# KiCad board Lime_RFE.kicad_pcb (continued)
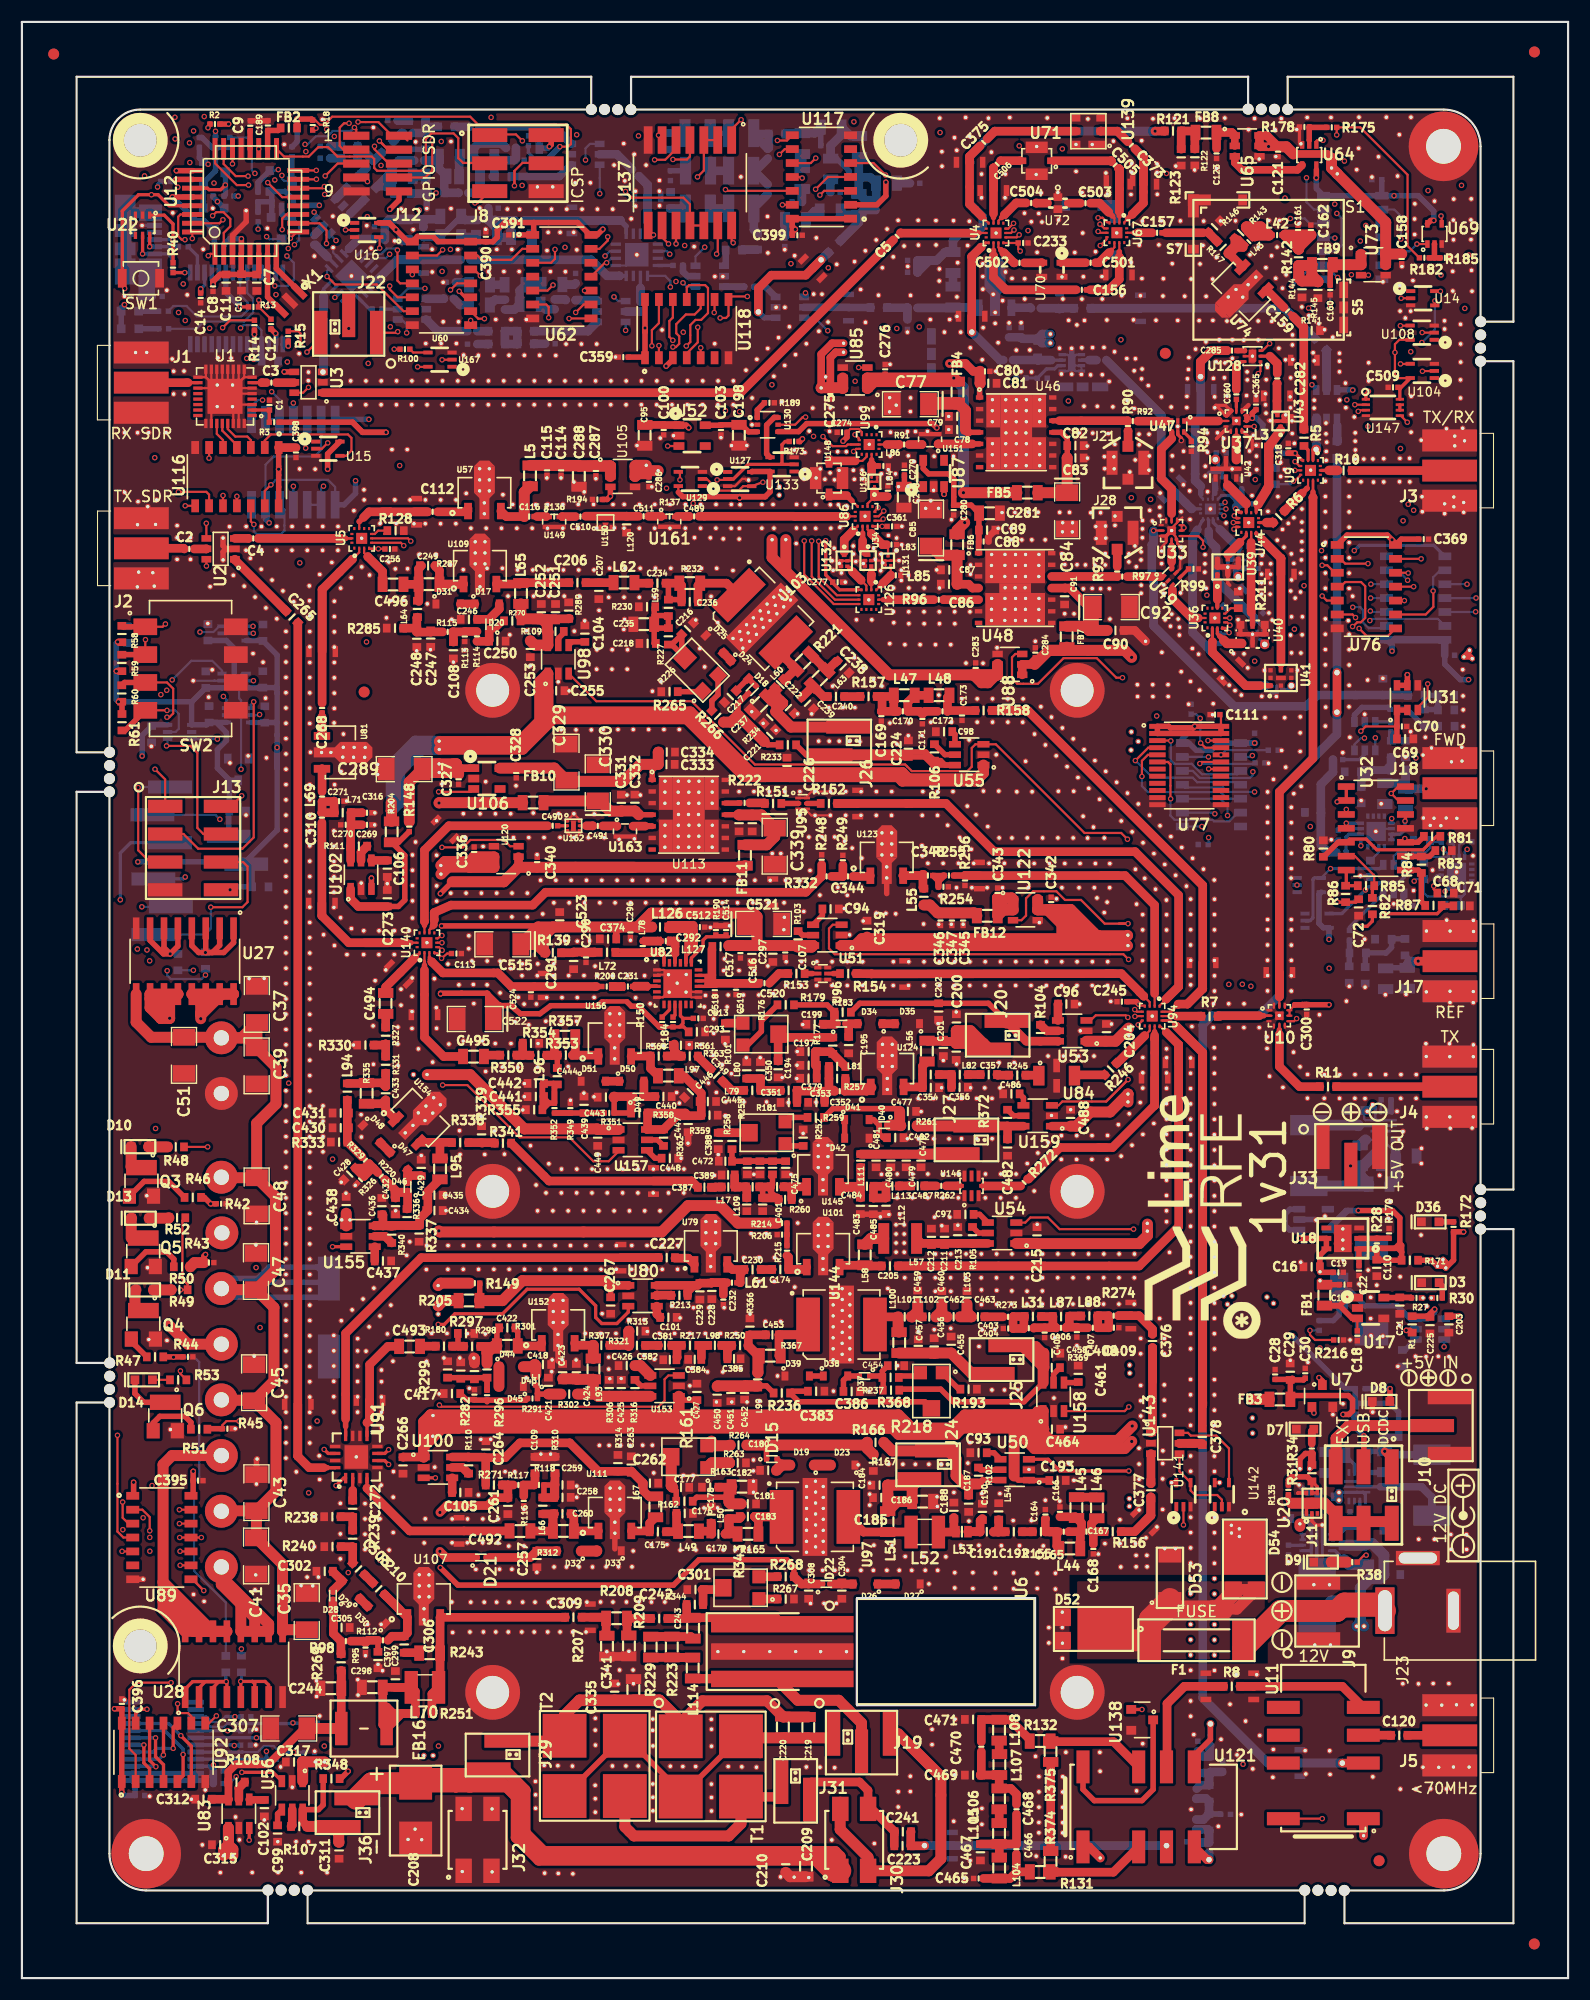
[diagram p0: board, top side]
## Placement (name value [footprint] x y rotation side) (continued)
GND_VIA#1176  VAL**  [GND_VIA]  38.38 145.75 90 top
GND_VIA#1177  VAL**  [GND_VIA]  39.78 145.75 90 top
GND_VIA#1178  VAL**  [GND_VIA]  41.17 145.75 90 top
GND_VIA#1179  VAL**  [GND_VIA]  39.77 143.58 90 top
GND_VIA#1180  VAL**  [GND_VIA]  41.16 143.58 90 top
GND_VIA#1181  VAL**  [GND_VIA]  46.75 143.58 90 top
GND_VIA#1182  VAL**  [GND_VIA]  45.35 143.58 90 top
GND_VIA#1183  VAL**  [GND_VIA]  46.76 145.75 90 top
GND_VIA#1184  VAL**  [GND_VIA]  45.37 145.75 90 top
GND_VIA#1185  VAL**  [GND_VIA]  43.97 145.75 90 top
GND_VIA#1186  VAL**  [GND_VIA]  43.96 143.58 90 top
GND_VIA#1187  VAL**  [GND_VIA]  48.16 145.75 90 top
GND_VIA#1188  VAL**  [GND_VIA]  48.15 143.58 90 top
GND_VIA#1189  VAL**  [GND_VIA]  42.57 145.75 90 top
GND_VIA#1190  VAL**  [GND_VIA]  42.56 143.58 90 top
GND_VIA#1191  VAL**  [GND_VIA]  60.72 143.58 90 top
GND_VIA#1192  VAL**  [GND_VIA]  60.73 145.75 90 top
GND_VIA#1193  VAL**  [GND_VIA]  62.13 145.75 90 top
GND_VIA#1194  VAL**  [GND_VIA]  63.53 145.75 90 top
GND_VIA#1195  VAL**  [GND_VIA]  62.12 143.58 90 top
GND_VIA#1196  VAL**  [GND_VIA]  63.51 143.58 90 top
GND_VIA#1197  VAL**  [GND_VIA]  64.92 145.75 90 top
GND_VIA#1198  VAL**  [GND_VIA]  64.91 143.58 90 top
GND_VIA#1199  VAL**  [GND_VIA]  86.46 160.32 180 top
GND_VIA#1200  VAL**  [GND_VIA]  66.63 144.19 180 top
GND_VIA#1201  VAL**  [GND_VIA]  66.08 146.73 180 top
GND_VIA#1202  VAL**  [GND_VIA]  67.07 147.72 180 top
GND_VIA#1203  VAL**  [GND_VIA]  68.62 146.17 180 top
GND_VIA#1204  VAL**  [GND_VIA]  70.6 148.15 180 top
GND_VIA#1205  VAL**  [GND_VIA]  69.05 149.7 180 top
GND_VIA#1206  VAL**  [GND_VIA]  68.06 148.71 180 top
GND_VIA#1207  VAL**  [GND_VIA]  69.61 147.16 180 top
GND_VIA#1208  VAL**  [GND_VIA]  73.57 151.12 180 top
GND_VIA#1209  VAL**  [GND_VIA]  73.01 153.66 180 top
GND_VIA#1210  VAL**  [GND_VIA]  72.72 150.28 180 top
GND_VIA#1211  VAL**  [GND_VIA]  70.04 150.69 180 top
GND_VIA#1212  VAL**  [GND_VIA]  71.59 149.14 180 top
GND_VIA#1213  VAL**  [GND_VIA]  79.51 157.07 180 top
GND_VIA#1214  VAL**  [GND_VIA]  77.96 158.62 180 top
GND_VIA#1215  VAL**  [GND_VIA]  78.95 159.61 180 top
GND_VIA#1216  VAL**  [GND_VIA]  80.5 158.06 180 top
GND_VIA#1217  VAL**  [GND_VIA]  81.79 160.4 180 top
GND_VIA#1218  VAL**  [GND_VIA]  83.41 160.38 180 top
GND_VIA#1219  VAL**  [GND_VIA]  79.96 160.4 180 top
GND_VIA#1220  VAL**  [GND_VIA]  81.81 158.14 180 top
GND_VIA#1221  VAL**  [GND_VIA]  75.98 156.64 180 top
GND_VIA#1222  VAL**  [GND_VIA]  76.97 157.63 180 top
GND_VIA#1223  VAL**  [GND_VIA]  78.52 156.08 180 top
GND_VIA#1224  VAL**  [GND_VIA]  76.54 154.1 180 top
GND_VIA#1225  VAL**  [GND_VIA]  72.25 153.68 180 top
GND_VIA#1226  VAL**  [GND_VIA]  74.36 156.39 180 top
GND_VIA#1227  VAL**  [GND_VIA]  85.01 160.37 180 top
GND_VIA#1228  VAL**  [GND_VIA]  33.7 107.27 90 top
GND_VIA#1229  VAL**  [GND_VIA]  33.71 106.5 90 top
GND_VIA#1230  VAL**  [GND_VIA]  37.99 60.59 90 top
GND_VIA#1231  VAL**  [GND_VIA]  38 61.36 90 top
GND_VIA#1232  VAL**  [GND_VIA]  37.98 63.19 90 top
GND_VIA#1233  VAL**  [GND_VIA]  85.11 18.55 0 top
GND_VIA#1234  VAL**  [GND_VIA]  69.38 82.18 90 top
GND_VIA#1235  VAL**  [GND_VIA]  69.93 79.89 90 top
GND_VIA#1236  VAL**  [GND_VIA]  72.46 79.92 90 top
GND_VIA#1237  VAL**  [GND_VIA]  39.23 123.99 180 top
GND_VIA#1238  VAL**  [GND_VIA]  40.4 121.18 180 top
GND_VIA#1239  VAL**  [GND_VIA]  37 125.41 180 top
GND_VIA#1240  VAL**  [GND_VIA]  94.98 13.25 180 top
GND_VIA#1241  VAL**  [GND_VIA]  92.8 13.26 180 top
GND_VIA#1242  VAL**  [GND_VIA]  92.56 11.12 180 top
GND_VIA#1243  VAL**  [GND_VIA]  95.24 11.07 180 top
GND_VIA#1244  VAL**  [GND_VIA]  94.98 14.19 180 top
GND_VIA#1245  VAL**  [GND_VIA]  92.8 14.2 180 top
GND_VIA#1246  VAL**  [GND_VIA]  92.8 15.6 180 top
GND_VIA#1247  VAL**  [GND_VIA]  92.8 16.99 180 top
GND_VIA#1248  VAL**  [GND_VIA]  94.98 15.58 180 top
GND_VIA#1249  VAL**  [GND_VIA]  94.98 16.98 180 top
GND_VIA#1250  VAL**  [GND_VIA]  92.5 20.23 180 top
GND_VIA#1251  VAL**  [GND_VIA]  95.27 20.6 180 top
GND_VIA#1252  VAL**  [GND_VIA]  92.8 18.39 180 top
GND_VIA#1253  VAL**  [GND_VIA]  94.98 18.38 180 top
GND_VIA#1254  VAL**  [GND_VIA]  98.4 10.96 180 top
GND_VIA#1255  VAL**  [GND_VIA]  122.43 12.99 180 top
GND_VIA#1256  VAL**  [GND_VIA]  74.98 149.19 90 top
GND_VIA#1257  VAL**  [GND_VIA]  74.97 148.37 90 top
GND_VIA#1258  VAL**  [GND_VIA]  75.25 29.79 90 top
GND_VIA#1259  VAL**  [GND_VIA]  72.89 29.79 90 top
GND_VIA#1260  VAL**  [GND_VIA]  70.61 29.8 90 top
GND_VIA#1261  VAL**  [GND_VIA]  65.87 29.79 90 top
GND_VIA#1262  VAL**  [GND_VIA]  63.51 29.79 90 top
GND_VIA#1263  VAL**  [GND_VIA]  68.25 29.8 90 top
GND_VIA#1264  VAL**  [GND_VIA]  31 131.39 90 top
GND_VIA#1265  VAL**  [GND_VIA]  119.38 18.59 180 top
GND_VIA#1266  VAL**  [GND_VIA]  112.96 22.14 180 top
GND_VIA#1267  VAL**  [GND_VIA]  117.1 20.76 180 top
GND_VIA#1268  VAL**  [GND_VIA]  114.2 20.86 180 top
GND_VIA#1269  VAL**  [GND_VIA]  112.32 19.09 180 top
GND_VIA#1270  VAL**  [GND_VIA]  119.34 20.74 180 top
GND_VIA#1271  VAL**  [GND_VIA]  117.16 18.63 180 top
GND_VIA#1272  VAL**  [GND_VIA]  114.16 18.32 180 top
GND_VIA#1273  VAL**  [GND_VIA]  123.28 18.36 180 top
GND_VIA#1274  VAL**  [GND_VIA]  110.25 24.99 180 top
GND_VIA#1275  VAL**  [GND_VIA]  106.65 23.89 180 top
GND_VIA#1276  VAL**  [GND_VIA]  106.65 25.29 180 top
GND_VIA#1277  VAL**  [GND_VIA]  110.82 27.71 180 top
GND_VIA#1278  VAL**  [GND_VIA]  111.67 23.45 180 top
GND_VIA#1279  VAL**  [GND_VIA]  112.68 27.69 180 top
GND_VIA#1280  VAL**  [GND_VIA]  108.82 32.26 180 top
GND_VIA#1281  VAL**  [GND_VIA]  108.82 30.87 180 top
GND_VIA#1282  VAL**  [GND_VIA]  106.65 32.28 180 top
GND_VIA#1283  VAL**  [GND_VIA]  106.65 30.88 180 top
GND_VIA#1284  VAL**  [GND_VIA]  106.65 29.48 180 top
GND_VIA#1285  VAL**  [GND_VIA]  108.82 29.47 180 top
GND_VIA#1286  VAL**  [GND_VIA]  106.65 28.08 180 top
GND_VIA#1287  VAL**  [GND_VIA]  108.82 28.07 180 top
GND_VIA#1288  VAL**  [GND_VIA]  106.65 46.25 180 top
GND_VIA#1289  VAL**  [GND_VIA]  108.82 46.23 180 top
GND_VIA#1290  VAL**  [GND_VIA]  108.82 35.06 180 top
GND_VIA#1291  VAL**  [GND_VIA]  106.65 35.07 180 top
GND_VIA#1292  VAL**  [GND_VIA]  106.65 36.47 180 top
GND_VIA#1293  VAL**  [GND_VIA]  106.65 37.86 180 top
GND_VIA#1294  VAL**  [GND_VIA]  108.82 36.45 180 top
GND_VIA#1295  VAL**  [GND_VIA]  108.82 37.85 180 top
GND_VIA#1296  VAL**  [GND_VIA]  108.82 42.04 180 top
GND_VIA#1297  VAL**  [GND_VIA]  106.65 42.05 180 top
GND_VIA#1298  VAL**  [GND_VIA]  106.65 40.66 180 top
GND_VIA#1299  VAL**  [GND_VIA]  108.82 40.65 180 top
GND_VIA#1300  VAL**  [GND_VIA]  106.65 39.26 180 top
GND_VIA#1301  VAL**  [GND_VIA]  108.82 39.25 180 top
GND_VIA#1302  VAL**  [GND_VIA]  121.12 119.83 180 top
GND_VIA#1303  VAL**  [GND_VIA]  118.95 119.84 180 top
GND_VIA#1304  VAL**  [GND_VIA]  121.12 121.22 180 top
GND_VIA#1305  VAL**  [GND_VIA]  118.95 121.24 180 top
GND_VIA#1306  VAL**  [GND_VIA]  118.95 122.63 180 top
GND_VIA#1307  VAL**  [GND_VIA]  118.95 124.03 180 top
GND_VIA#1308  VAL**  [GND_VIA]  121.12 122.62 180 top
GND_VIA#1309  VAL**  [GND_VIA]  121.04 123.88 180 top
GND_VIA#1310  VAL**  [GND_VIA]  121.12 117.97 180 top
GND_VIA#1311  VAL**  [GND_VIA]  122.81 118.46 180 top
GND_VIA#1312  VAL**  [GND_VIA]  118.96 117.93 180 top
GND_VIA#1313  VAL**  [GND_VIA]  116.72 120.92 180 top
GND_VIA#1314  VAL**  [GND_VIA]  118.97 115.98 180 top
GND_VIA#1315  VAL**  [GND_VIA]  121.11 116.01 180 top
GND_VIA#1316  VAL**  [GND_VIA]  121.12 126.81 180 top
GND_VIA#1317  VAL**  [GND_VIA]  118.95 126.82 180 top
GND_VIA#1318  VAL**  [GND_VIA]  118.95 128.22 180 top
GND_VIA#1319  VAL**  [GND_VIA]  118.95 129.62 180 top
GND_VIA#1320  VAL**  [GND_VIA]  121.12 128.21 180 top
GND_VIA#1321  VAL**  [GND_VIA]  121.12 129.61 180 top
GND_VIA#1322  VAL**  [GND_VIA]  121.12 135.19 180 top
GND_VIA#1323  VAL**  [GND_VIA]  121.12 133.8 180 top
GND_VIA#1324  VAL**  [GND_VIA]  118.95 135.21 180 top
GND_VIA#1325  VAL**  [GND_VIA]  118.95 133.81 180 top
GND_VIA#1326  VAL**  [GND_VIA]  118.95 132.41 180 top
GND_VIA#1327  VAL**  [GND_VIA]  121.12 132.4 180 top
GND_VIA#1328  VAL**  [GND_VIA]  118.95 136.6 180 top
GND_VIA#1329  VAL**  [GND_VIA]  121.12 136.59 180 top
GND_VIA#1330  VAL**  [GND_VIA]  118.95 131.02 180 top
GND_VIA#1331  VAL**  [GND_VIA]  121.12 131 180 top
GND_VIA#1332  VAL**  [GND_VIA]  116.65 113.63 180 top
GND_VIA#1333  VAL**  [GND_VIA]  118.95 114.25 180 top
GND_VIA#1334  VAL**  [GND_VIA]  121.18 113.23 180 top
GND_VIA#1335  VAL**  [GND_VIA]  101.01 85.99 0 top
GND_VIA#1336  VAL**  [GND_VIA]  101 86.7 0 top
GND_VIA#1337  VAL**  [GND_VIA]  101.06 43.05 0 top
GND_VIA#1338  VAL**  [GND_VIA]  101.06 43.75 0 top
GND_VIA#1339  VAL**  [GND_VIA]  35.73 82.45 90 top
GND_VIA#1340  VAL**  [GND_VIA]  27.61 19.72 90 top
GND_VIA#1341  VAL**  [GND_VIA]  26.77 19.73 90 top
GND_VIA#1342  VAL**  [GND_VIA]  131.42 111.06 0 top
GND_VIA#1343  VAL**  [GND_VIA]  112.29 51.11 0 top
GND_VIA#1344  VAL**  [GND_VIA]  112.31 49.72 0 top
GND_VIA#1345  VAL**  [GND_VIA]  101.1 55.2 0 top
GND_VIA#1346  VAL**  [GND_VIA]  101.08 55.94 0 top
GND_VIA#1347  VAL**  [GND_VIA]  56.97 138.05 90 top
GND_VIA#1348  VAL**  [GND_VIA]  58.06 137.56 90 top
GND_VIA#1349  VAL**  [GND_VIA]  73.35 146.12 90 top
GND_VIA#1350  VAL**  [GND_VIA]  72.94 145.11 90 top
GND_VIA#1351  VAL**  [GND_VIA]  18.41 11.19 90 top
GND_VIA#1352  VAL**  [GND_VIA]  19.25 11.18 90 top
GND_VIA#1353  VAL**  [GND_VIA]  37.51 51.34 90 top
GND_VIA#1354  VAL**  [GND_VIA]  37.49 49.45 90 top
GND_VIA#1355  VAL**  [GND_VIA]  104.92 45.21 0 top
GND_VIA#1356  VAL**  [GND_VIA]  109.66 62.25 0 top
GND_VIA#1357  VAL**  [GND_VIA]  110.42 62.25 0 top
GND_VIA#1358  VAL**  [GND_VIA]  110.02 61.49 0 top
GND_VIA#1359  VAL**  [GND_VIA]  74.06 53.56 180 top
GND_VIA#1360  VAL**  [GND_VIA]  77.3 53.56 180 top
GND_VIA#1361  VAL**  [GND_VIA]  79.91 55.89 90 top
GND_VIA#1362  VAL**  [GND_VIA]  52.32 22.63 90 top
GND_VIA#1363  VAL**  [GND_VIA]  57.56 22.61 90 top
GND_VIA#1364  VAL**  [GND_VIA]  62.93 22.71 90 top
GND_VIA#1365  VAL**  [GND_VIA]  77.33 139.96 0 top
GND_VIA#1366  VAL**  [GND_VIA]  93.77 101.71 90 top
GND_VIA#1367  VAL**  [GND_VIA]  95.17 101.71 90 top
GND_VIA#1368  VAL**  [GND_VIA]  96.56 101.71 90 top
GND_VIA#1369  VAL**  [GND_VIA]  97.96 101.71 90 top
GND_VIA#1370  VAL**  [GND_VIA]  92.37 101.71 90 top
GND_VIA#1371  VAL**  [GND_VIA]  90.97 101.71 90 top
GND_VIA#1372  VAL**  [GND_VIA]  99.28 101.7 90 top
GND_VIA#1373  VAL**  [GND_VIA]  128.16 78.59 0 top
GND_VIA#1374  VAL**  [GND_VIA]  132.45 78.59 0 top
GND_VIA#1375  VAL**  [GND_VIA]  102.69 68.87 0 top
GND_VIA#1376  VAL**  [GND_VIA]  102.7 68.16 0 top
GND_VIA#1377  VAL**  [GND_VIA]  80.9 128 0 top
GND_VIA#1378  VAL**  [GND_VIA]  76.1 129.26 0 top
GND_VIA#1379  VAL**  [GND_VIA]  80.04 129.35 0 top
GND_VIA#1380  VAL**  [GND_VIA]  77.87 129.45 0 top
GND_VIA#1381  VAL**  [GND_VIA]  21.27 35.43 180 top
GND_VIA#1382  VAL**  [GND_VIA]  26.03 36.59 180 top
GND_VIA#1383  VAL**  [GND_VIA]  21.09 120.87 180 top
GND_VIA#1384  VAL**  [GND_VIA]  22.01 120.08 180 top
GND_VIA#1385  VAL**  [GND_VIA]  22.24 116.8 180 top
GND_VIA#1386  VAL**  [GND_VIA]  17.04 116.89 180 top
GND_VIA#1387  VAL**  [GND_VIA]  22.32 111.36 180 top
GND_VIA#1388  VAL**  [GND_VIA]  119.49 103.89 0 top
GND_VIA#1389  VAL**  [GND_VIA]  122.15 100.59 0 top
GND_VIA#1390  VAL**  [GND_VIA]  113.62 62.15 0 top
GND_VIA#1391  VAL**  [GND_VIA]  114.22 61.57 0 top
GND_VIA#1392  VAL**  [GND_VIA]  73.76 143.28 180 top
GND_VIA#1393  VAL**  [GND_VIA]  73.7 141.15 180 top
GND_VIA#1394  VAL**  [GND_VIA]  80.86 136.13 90 top
GND_VIA#1395  VAL**  [GND_VIA]  79.99 136.1 90 top
GND_VIA#1396  VAL**  [GND_VIA]  69.12 136.1 90 top
GND_VIA#1397  VAL**  [GND_VIA]  69.11 135.33 90 top
GND_VIA#1398  VAL**  [GND_VIA]  25.34 137.72 90 top
GND_VIA#1399  VAL**  [GND_VIA]  26.76 137.7 90 top
GND_VIA#1400  VAL**  [GND_VIA]  95.8 148.72 0 top
GND_VIA#1401  VAL**  [GND_VIA]  31.47 159.92 90 top
GND_VIA#1402  VAL**  [GND_VIA]  34.02 158.53 90 top
GND_VIA#1403  VAL**  [GND_VIA]  27.42 169.62 90 top
GND_VIA#1404  VAL**  [GND_VIA]  35.93 167.56 90 top
GND_VIA#1405  VAL**  [GND_VIA]  48.94 118.29 180 top
GND_VIA#1406  VAL**  [GND_VIA]  42.32 159.58 90 top
GND_VIA#1407  VAL**  [GND_VIA]  44.3 161.43 90 top
GND_VIA#1408  VAL**  [GND_VIA]  66.31 136.7 90 top
GND_VIA#1409  VAL**  [GND_VIA]  75.96 136.78 180 top
GND_VIA#1410  VAL**  [GND_VIA]  42.09 103.26 180 top
GND_VIA#1411  VAL**  [GND_VIA]  13.22 154.03 90 top
GND_VIA#1412  VAL**  [GND_VIA]  41.65 44.08 90 top
GND_VIA#1413  VAL**  [GND_VIA]  21.46 47.37 180 top
GND_VIA#1414  VAL**  [GND_VIA]  116.55 45.01 180 top
GND_VIA#1415  VAL**  [GND_VIA]  105.79 130.56 180 top
GND_VIA#1416  VAL**  [GND_VIA]  86.5 48.87 180 top
GND_VIA#1417  VAL**  [GND_VIA]  21.34 21.27 90 top
GND_VIA#1418  VAL**  [GND_VIA]  21.39 22.69 90 top
GND_VIA#1419  VAL**  [GND_VIA]  9.36 153.47 90 top
GND_VIA#1420  VAL**  [GND_VIA]  15.63 118.39 180 top
GND_VIA#1421  VAL**  [GND_VIA]  60 79.84 90 top
GND_VIA#1422  VAL**  [GND_VIA]  64.24 79.97 90 top
GND_VIA#1423  VAL**  [GND_VIA]  52.95 60.63 90 top
GND_VIA#1424  VAL**  [GND_VIA]  40.83 53.82 180 top
GND_VIA#1425  VAL**  [GND_VIA]  123.9 73.25 180 top
GND_VIA#1426  VAL**  [GND_VIA]  125.67 76.5 180 top
GND_VIA#1427  VAL**  [GND_VIA]  126.03 77.27 180 top
GND_VIA#1428  VAL**  [GND_VIA]  122.77 79.1 0 top
GND_VIA#1429  VAL**  [GND_VIA]  123.25 79.71 0 top
GND_VIA#1430  VAL**  [GND_VIA]  43.84 128.65 90 top
GND_VIA#1431  VAL**  [GND_VIA]  42.45 128.65 90 top
GND_VIA#1432  VAL**  [GND_VIA]  57.82 128.65 90 top
GND_VIA#1433  VAL**  [GND_VIA]  63.41 128.65 90 top
GND_VIA#1434  VAL**  [GND_VIA]  59.22 128.65 90 top
GND_VIA#1435  VAL**  [GND_VIA]  60.61 128.65 90 top
GND_VIA#1436  VAL**  [GND_VIA]  62.01 128.65 90 top
GND_VIA#1437  VAL**  [GND_VIA]  56.42 128.65 90 top
GND_VIA#1438  VAL**  [GND_VIA]  55.02 128.65 90 top
GND_VIA#1439  VAL**  [GND_VIA]  53.63 128.65 90 top
GND_VIA#1440  VAL**  [GND_VIA]  64.88 128.45 90 top
GND_VIA#1441  VAL**  [GND_VIA]  46.62 128.5 90 top
GND_VIA#1442  VAL**  [GND_VIA]  52.2 128.5 90 top
GND_VIA#1443  VAL**  [GND_VIA]  48.01 128.5 90 top
GND_VIA#1444  VAL**  [GND_VIA]  49.41 128.5 90 top
GND_VIA#1445  VAL**  [GND_VIA]  50.81 128.5 90 top
GND_VIA#1446  VAL**  [GND_VIA]  45.22 128.5 90 top
GND_VIA#1447  VAL**  [GND_VIA]  49.49 126.11 90 top
GND_VIA#1448  VAL**  [GND_VIA]  48.09 126.11 90 top
GND_VIA#1449  VAL**  [GND_VIA]  46.69 126.11 90 top
GND_VIA#1450  VAL**  [GND_VIA]  50.88 126.11 90 top
GND_VIA#1451  VAL**  [GND_VIA]  44.36 126.11 90 top
GND_VIA#1452  VAL**  [GND_VIA]  53.55 126.01 90 top
GND_VIA#1453  VAL**  [GND_VIA]  54.95 126.01 90 top
GND_VIA#1454  VAL**  [GND_VIA]  56.34 126.01 90 top
GND_VIA#1455  VAL**  [GND_VIA]  57.74 126.01 90 top
GND_VIA#1456  VAL**  [GND_VIA]  65.45 108.27 90 top
GND_VIA#1457  VAL**  [GND_VIA]  72.39 108.27 90 top
GND_VIA#1458  VAL**  [GND_VIA]  70.99 108.27 90 top
GND_VIA#1459  VAL**  [GND_VIA]  69.6 108.27 90 top
GND_VIA#1460  VAL**  [GND_VIA]  66.8 108.27 90 top
GND_VIA#1461  VAL**  [GND_VIA]  68.2 108.27 90 top
GND_VIA#1462  VAL**  [GND_VIA]  70.98 106.1 90 top
GND_VIA#1463  VAL**  [GND_VIA]  72.38 106.1 90 top
GND_VIA#1464  VAL**  [GND_VIA]  82.32 124.68 90 top
GND_VIA#1465  VAL**  [GND_VIA]  82.33 126.86 90 top
GND_VIA#1466  VAL**  [GND_VIA]  83.72 124.68 90 top
GND_VIA#1467  VAL**  [GND_VIA]  83.73 126.86 90 top
GND_VIA#1468  VAL**  [GND_VIA]  80.92 124.68 90 top
GND_VIA#1469  VAL**  [GND_VIA]  79.53 124.68 90 top
GND_VIA#1470  VAL**  [GND_VIA]  80.94 126.86 90 top
GND_VIA#1471  VAL**  [GND_VIA]  79.54 126.86 90 top
GND_VIA#1472  VAL**  [GND_VIA]  86.51 124.68 90 top
GND_VIA#1473  VAL**  [GND_VIA]  85.12 124.68 90 top
GND_VIA#1474  VAL**  [GND_VIA]  73.94 129.34 0 top
GND_VIA#1475  VAL**  [GND_VIA]  102.14 126.38 90 top
GND_VIA#1476  VAL**  [GND_VIA]  96.29 128.98 90 top
GND_VIA#1477  VAL**  [GND_VIA]  94.96 131.98 90 top
GND_VIA#1478  VAL**  [GND_VIA]  95.86 131.98 90 top
GND_VIA#1479  VAL**  [GND_VIA]  97.67 126.81 90 top
GND_VIA#1480  VAL**  [GND_VIA]  97.93 128.95 90 top
GND_VIA#1481  VAL**  [GND_VIA]  98.86 128.96 90 top
GND_VIA#1482  VAL**  [GND_VIA]  99.24 126.8 90 top
GND_VIA#1483  VAL**  [GND_VIA]  102.13 129.42 90 top
GND_VIA#1484  VAL**  [GND_VIA]  104.01 129.08 90 top
GND_VIA#1485  VAL**  [GND_VIA]  104.2 126.36 90 top
GND_VIA#1486  VAL**  [GND_VIA]  82.67 101.73 90 top
GND_VIA#1487  VAL**  [GND_VIA]  84.07 101.73 90 top
GND_VIA#1488  VAL**  [GND_VIA]  89.65 101.73 90 top
GND_VIA#1489  VAL**  [GND_VIA]  88.26 101.73 90 top
GND_VIA#1490  VAL**  [GND_VIA]  86.86 101.73 90 top
GND_VIA#1491  VAL**  [GND_VIA]  85.46 101.73 90 top
GND_VIA#1492  VAL**  [GND_VIA]  99.26 99.51 90 top
GND_VIA#1493  VAL**  [GND_VIA]  88.14 105.08 90 top
GND_VIA#1494  VAL**  [GND_VIA]  97.86 99.51 90 top
GND_VIA#1495  VAL**  [GND_VIA]  91.83 99.5 90 top
GND_VIA#1496  VAL**  [GND_VIA]  96.47 99.51 90 top
GND_VIA#1497  VAL**  [GND_VIA]  94.91 99.5 90 top
GND_VIA#1498  VAL**  [GND_VIA]  99.03 98.18 90 top
GND_VIA#1499  VAL**  [GND_VIA]  98.77 97.23 90 top
GND_VIA#1500  VAL**  [GND_VIA]  89.48 99.51 90 top
GND_VIA#1501  VAL**  [GND_VIA]  88.08 99.51 90 top
GND_VIA#1502  VAL**  [GND_VIA]  86.69 99.51 90 top
GND_VIA#1503  VAL**  [GND_VIA]  83.77 98.76 90 top
GND_VIA#1504  VAL**  [GND_VIA]  85.29 99.51 90 top
GND_VIA#1505  VAL**  [GND_VIA]  82.94 114.6 90 top
GND_VIA#1506  VAL**  [GND_VIA]  84.84 114.63 90 top
GND_VIA#1507  VAL**  [GND_VIA]  79.21 114.53 90 top
GND_VIA#1508  VAL**  [GND_VIA]  80.94 114.54 90 top
GND_VIA#1509  VAL**  [GND_VIA]  83.67 117.08 90 top
GND_VIA#1510  VAL**  [GND_VIA]  72.71 112.88 0 top
GND_VIA#1511  VAL**  [GND_VIA]  74.59 112.88 0 top
GND_VIA#1512  VAL**  [GND_VIA]  73.67 112.88 0 top
GND_VIA#1513  VAL**  [GND_VIA]  76.47 112.84 0 top
GND_VIA#1514  VAL**  [GND_VIA]  79.84 112.61 0 top
GND_VIA#1515  VAL**  [GND_VIA]  75.5 112.84 0 top
GND_VIA#1516  VAL**  [GND_VIA]  86.44 112.99 0 top
GND_VIA#1517  VAL**  [GND_VIA]  88.91 111.63 0 top
GND_VIA#1518  VAL**  [GND_VIA]  91.59 111.04 0 top
GND_VIA#1519  VAL**  [GND_VIA]  94.41 98.49 90 top
GND_VIA#1520  VAL**  [GND_VIA]  86.27 106.95 90 top
GND_VIA#1521  VAL**  [GND_VIA]  84.48 105.2 90 top
GND_VIA#1522  VAL**  [GND_VIA]  86.64 103.01 90 top
GND_VIA#1523  VAL**  [GND_VIA]  85.57 104.09 90 top
GND_VIA#1524  VAL**  [GND_VIA]  96.84 106.02 90 top
GND_VIA#1525  VAL**  [GND_VIA]  115.84 102.65 180 top
GND_VIA#1526  VAL**  [GND_VIA]  113.67 102.66 180 top
GND_VIA#1527  VAL**  [GND_VIA]  116.07 108.09 180 top
GND_VIA#1528  VAL**  [GND_VIA]  115.84 104.05 180 top
GND_VIA#1529  VAL**  [GND_VIA]  113.67 104.06 180 top
GND_VIA#1530  VAL**  [GND_VIA]  113.67 105.46 180 top
GND_VIA#1531  VAL**  [GND_VIA]  113.67 106.85 180 top
GND_VIA#1532  VAL**  [GND_VIA]  115.84 105.44 180 top
GND_VIA#1533  VAL**  [GND_VIA]  115.84 106.84 180 top
GND_VIA#1534  VAL**  [GND_VIA]  115.84 101.25 180 top
GND_VIA#1535  VAL**  [GND_VIA]  115.82 100.38 180 top
GND_VIA#1536  VAL**  [GND_VIA]  113.67 101.26 180 top
GND_VIA#1537  VAL**  [GND_VIA]  113.67 99.87 180 top
GND_VIA#1538  VAL**  [GND_VIA]  113.68 96.6 180 top
GND_VIA#1539  VAL**  [GND_VIA]  113.68 98.77 180 top
GND_VIA#1540  VAL**  [GND_VIA]  113.67 90.09 180 top
GND_VIA#1541  VAL**  [GND_VIA]  115.84 90.08 180 top
GND_VIA#1542  VAL**  [GND_VIA]  115.84 95.66 180 top
GND_VIA#1543  VAL**  [GND_VIA]  115.84 94.27 180 top
GND_VIA#1544  VAL**  [GND_VIA]  113.67 95.68 180 top
GND_VIA#1545  VAL**  [GND_VIA]  113.67 94.28 180 top
GND_VIA#1546  VAL**  [GND_VIA]  113.67 92.88 180 top
GND_VIA#1547  VAL**  [GND_VIA]  115.84 92.87 180 top
GND_VIA#1548  VAL**  [GND_VIA]  115.84 96.6 180 top
GND_VIA#1549  VAL**  [GND_VIA]  113.67 91.49 180 top
GND_VIA#1550  VAL**  [GND_VIA]  115.84 91.47 180 top
GND_VIA#1551  VAL**  [GND_VIA]  113.68 108.24 90 top
GND_VIA#1552  VAL**  [GND_VIA]  30.05 127.8 180 top
GND_VIA#1553  VAL**  [GND_VIA]  31.01 128.78 180 top
GND_VIA#1554  VAL**  [GND_VIA]  28.28 129.18 180 top
GND_VIA#1555  VAL**  [GND_VIA]  27.18 128.09 180 top
GND_VIA#1556  VAL**  [GND_VIA]  26.23 127.05 180 top
GND_VIA#1557  VAL**  [GND_VIA]  92.71 75.3 180 top
GND_VIA#1558  VAL**  [GND_VIA]  91.74 74.33 180 top
GND_VIA#1559  VAL**  [GND_VIA]  92.37 71.83 90 top
GND_VIA#1560  VAL**  [GND_VIA]  53.04 113.94 90 top
GND_VIA#1561  VAL**  [GND_VIA]  59.98 113.94 90 top
GND_VIA#1562  VAL**  [GND_VIA]  58.58 113.94 90 top
GND_VIA#1563  VAL**  [GND_VIA]  57.19 113.94 90 top
GND_VIA#1564  VAL**  [GND_VIA]  54.39 113.94 90 top
GND_VIA#1565  VAL**  [GND_VIA]  55.79 113.94 90 top
GND_VIA#1566  VAL**  [GND_VIA]  75.86 130.68 90 top
GND_VIA#1567  VAL**  [GND_VIA]  79.08 131.65 90 top
GND_VIA#1568  VAL**  [GND_VIA]  70.48 139.43 90 top
GND_VIA#1569  VAL**  [GND_VIA]  45.42 161.4 90 top
GND_VIA#1570  VAL**  [GND_VIA]  58.18 163.07 90 top
GND_VIA#1571  VAL**  [GND_VIA]  58.18 164.05 90 top
GND_VIA#1572  VAL**  [GND_VIA]  55.99 163.06 90 top
GND_VIA#1573  VAL**  [GND_VIA]  55.02 164.01 90 top
GND_VIA#1574  VAL**  [GND_VIA]  58.19 161.73 90 top
GND_VIA#1575  VAL**  [GND_VIA]  55.99 161.7 90 top
GND_VIA#1576  VAL**  [GND_VIA]  56.96 165.44 90 top
GND_VIA#1577  VAL**  [GND_VIA]  54.04 165.44 90 top
GND_VIA#1578  VAL**  [GND_VIA]  55.88 166.43 90 top
GND_VIA#1579  VAL**  [GND_VIA]  54.91 167.41 90 top
GND_VIA#1580  VAL**  [GND_VIA]  55.6 160.54 90 top
GND_VIA#1581  VAL**  [GND_VIA]  46.93 161.42 90 top
GND_VIA#1582  VAL**  [GND_VIA]  48.32 161.42 90 top
GND_VIA#1583  VAL**  [GND_VIA]  53.91 161.42 90 top
GND_VIA#1584  VAL**  [GND_VIA]  52.52 161.42 90 top
GND_VIA#1585  VAL**  [GND_VIA]  51.12 161.42 90 top
GND_VIA#1586  VAL**  [GND_VIA]  49.72 161.42 90 top
GND_VIA#1587  VAL**  [GND_VIA]  49.11 159.31 90 top
GND_VIA#1588  VAL**  [GND_VIA]  48.02 159.31 90 top
GND_VIA#1589  VAL**  [GND_VIA]  50.36 159.31 90 top
GND_VIA#1590  VAL**  [GND_VIA]  44.45 148.09 90 top
GND_VIA#1591  VAL**  [GND_VIA]  41.66 148.09 90 top
GND_VIA#1592  VAL**  [GND_VIA]  43.05 148.09 90 top
GND_VIA#1593  VAL**  [GND_VIA]  45.85 148.09 90 top
GND_VIA#1594  VAL**  [GND_VIA]  47.25 148.09 90 top
GND_VIA#1595  VAL**  [GND_VIA]  46.04 151.35 90 top
GND_VIA#1596  VAL**  [GND_VIA]  43.24 151.35 90 top
GND_VIA#1597  VAL**  [GND_VIA]  44.64 151.35 90 top
GND_VIA#1598  VAL**  [GND_VIA]  40.31 148.11 90 top
GND_VIA#1599  VAL**  [GND_VIA]  48.72 148.07 90 top
GND_VIA#1600  VAL**  [GND_VIA]  52.45 149.12 90 top
GND_VIA#1601  VAL**  [GND_VIA]  51.06 149.12 90 top
GND_VIA#1602  VAL**  [GND_VIA]  49.66 149.12 90 top
GND_VIA#1603  VAL**  [GND_VIA]  36.86 149.17 90 top
GND_VIA#1604  VAL**  [GND_VIA]  38.25 149.17 90 top
GND_VIA#1605  VAL**  [GND_VIA]  39.65 149.17 90 top
GND_VIA#1606  VAL**  [GND_VIA]  39.84 151.15 90 top
GND_VIA#1607  VAL**  [GND_VIA]  38.44 151.15 90 top
GND_VIA#1608  VAL**  [GND_VIA]  26.68 157.14 90 top
GND_VIA#1609  VAL**  [GND_VIA]  28.4 157.92 90 top
GND_VIA#1610  VAL**  [GND_VIA]  31.86 157.86 90 top
GND_VIA#1611  VAL**  [GND_VIA]  41.78 161.52 90 top
GND_VIA#1612  VAL**  [GND_VIA]  39.15 161.48 90 top
GND_VIA#1613  VAL**  [GND_VIA]  36.94 161.48 90 top
GND_VIA#1614  VAL**  [GND_VIA]  34.61 161.44 90 top
GND_VIA#1615  VAL**  [GND_VIA]  35.7 159.55 90 top
GND_VIA#1616  VAL**  [GND_VIA]  62.89 126.09 90 top
GND_VIA#1617  VAL**  [GND_VIA]  73.63 115.94 90 top
GND_VIA#1618  VAL**  [GND_VIA]  74.93 115.94 90 top
GND_VIA#1619  VAL**  [GND_VIA]  76.01 115.94 90 top
GND_VIA#1620  VAL**  [GND_VIA]  73.98 117.89 90 top
GND_VIA#1621  VAL**  [GND_VIA]  78.49 117.91 90 top
GND_VIA#1622  VAL**  [GND_VIA]  77.72 118.5 90 top
GND_VIA#1623  VAL**  [GND_VIA]  76.81 119.52 90 top
GND_VIA#1624  VAL**  [GND_VIA]  75.97 120.48 90 top
GND_VIA#1625  VAL**  [GND_VIA]  107.97 129.9 90 top
GND_VIA#1626  VAL**  [GND_VIA]  107.94 128.29 90 top
GND_VIA#1627  VAL**  [GND_VIA]  105.77 129.6 90 top
GND_VIA#1628  VAL**  [GND_VIA]  105.74 126.4 90 top
GND_VIA#1629  VAL**  [GND_VIA]  132.35 120.41 0 top
GND_VIA#1630  VAL**  [GND_VIA]  131.59 120.56 0 top
GND_VIA#1631  VAL**  [GND_VIA]  132.1 121.17 0 top
GND_VIA#1632  VAL**  [GND_VIA]  124.45 82.45 90 top
GND_VIA#1633  VAL**  [GND_VIA]  125.83 80.28 90 top
GND_VIA#1634  VAL**  [GND_VIA]  125.84 82.45 90 top
GND_VIA#1635  VAL**  [GND_VIA]  127.24 82.45 90 top
GND_VIA#1636  VAL**  [GND_VIA]  127.23 80.28 90 top
GND_VIA#1637  VAL**  [GND_VIA]  122.57 80.26 90 top
GND_VIA#1638  VAL**  [GND_VIA]  121.64 80.28 90 top
GND_VIA#1639  VAL**  [GND_VIA]  123.05 82.45 90 top
GND_VIA#1640  VAL**  [GND_VIA]  121.65 82.45 90 top
GND_VIA#1641  VAL**  [GND_VIA]  120.26 82.45 90 top
GND_VIA#1642  VAL**  [GND_VIA]  120.24 80.28 90 top
GND_VIA#1643  VAL**  [GND_VIA]  118.85 80.28 90 top
GND_VIA#1644  VAL**  [GND_VIA]  118.86 82.45 90 top
GND_VIA#1645  VAL**  [GND_VIA]  117.31 80.29 90 top
GND_VIA#1646  VAL**  [GND_VIA]  117.32 82.46 90 top
GND_VIA#1647  VAL**  [GND_VIA]  116.64 83.16 90 top
GND_VIA#1648  VAL**  [GND_VIA]  115.07 81.28 90 top
GND_VIA#1649  VAL**  [GND_VIA]  113.63 85.89 180 top
GND_VIA#1650  VAL**  [GND_VIA]  113.63 84.84 180 top
GND_VIA#1651  VAL**  [GND_VIA]  113.86 82.3 90 top
GND_VIA#1652  VAL**  [GND_VIA]  116.04 84.49 90 top
GND_VIA#1653  VAL**  [GND_VIA]  53.84 119.44 90 top
GND_VIA#1654  VAL**  [GND_VIA]  55.24 119.44 90 top